# Altium PCB PCB1.PcbDoc (part 1 of 2)
Units mil, origin at the board's own origin, x right, y up, seen from the top; angles counter-clockwise.
Board outline 5314.96 x 2370.75 mil, 2 copper layers (Top Layer, Bottom Layer); 257 components, 147 nets, 806 pads, 335 vias.
Unrouted connection lines stored in the file: 91.
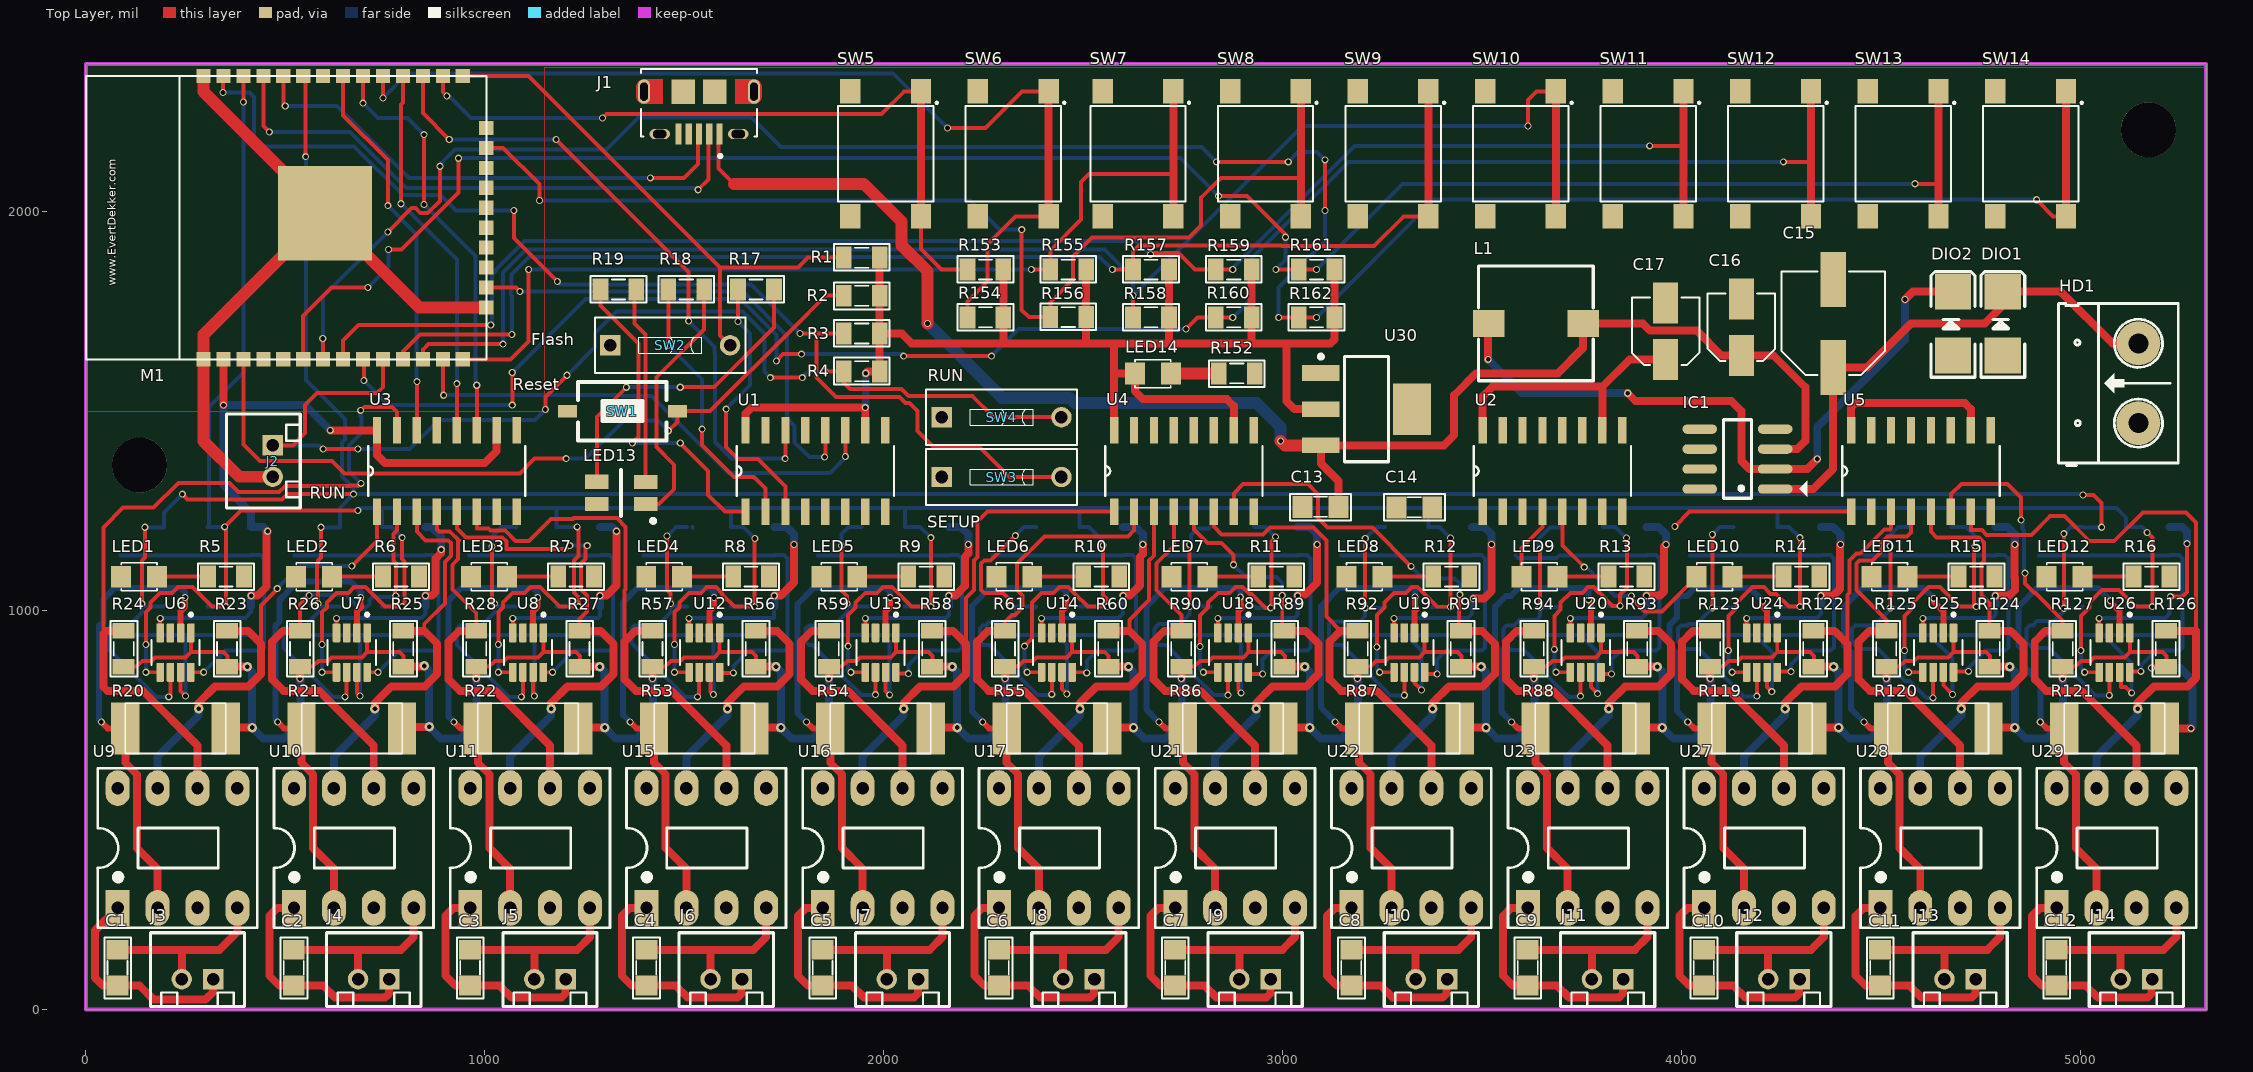
[diagram p0: Top Layer view]
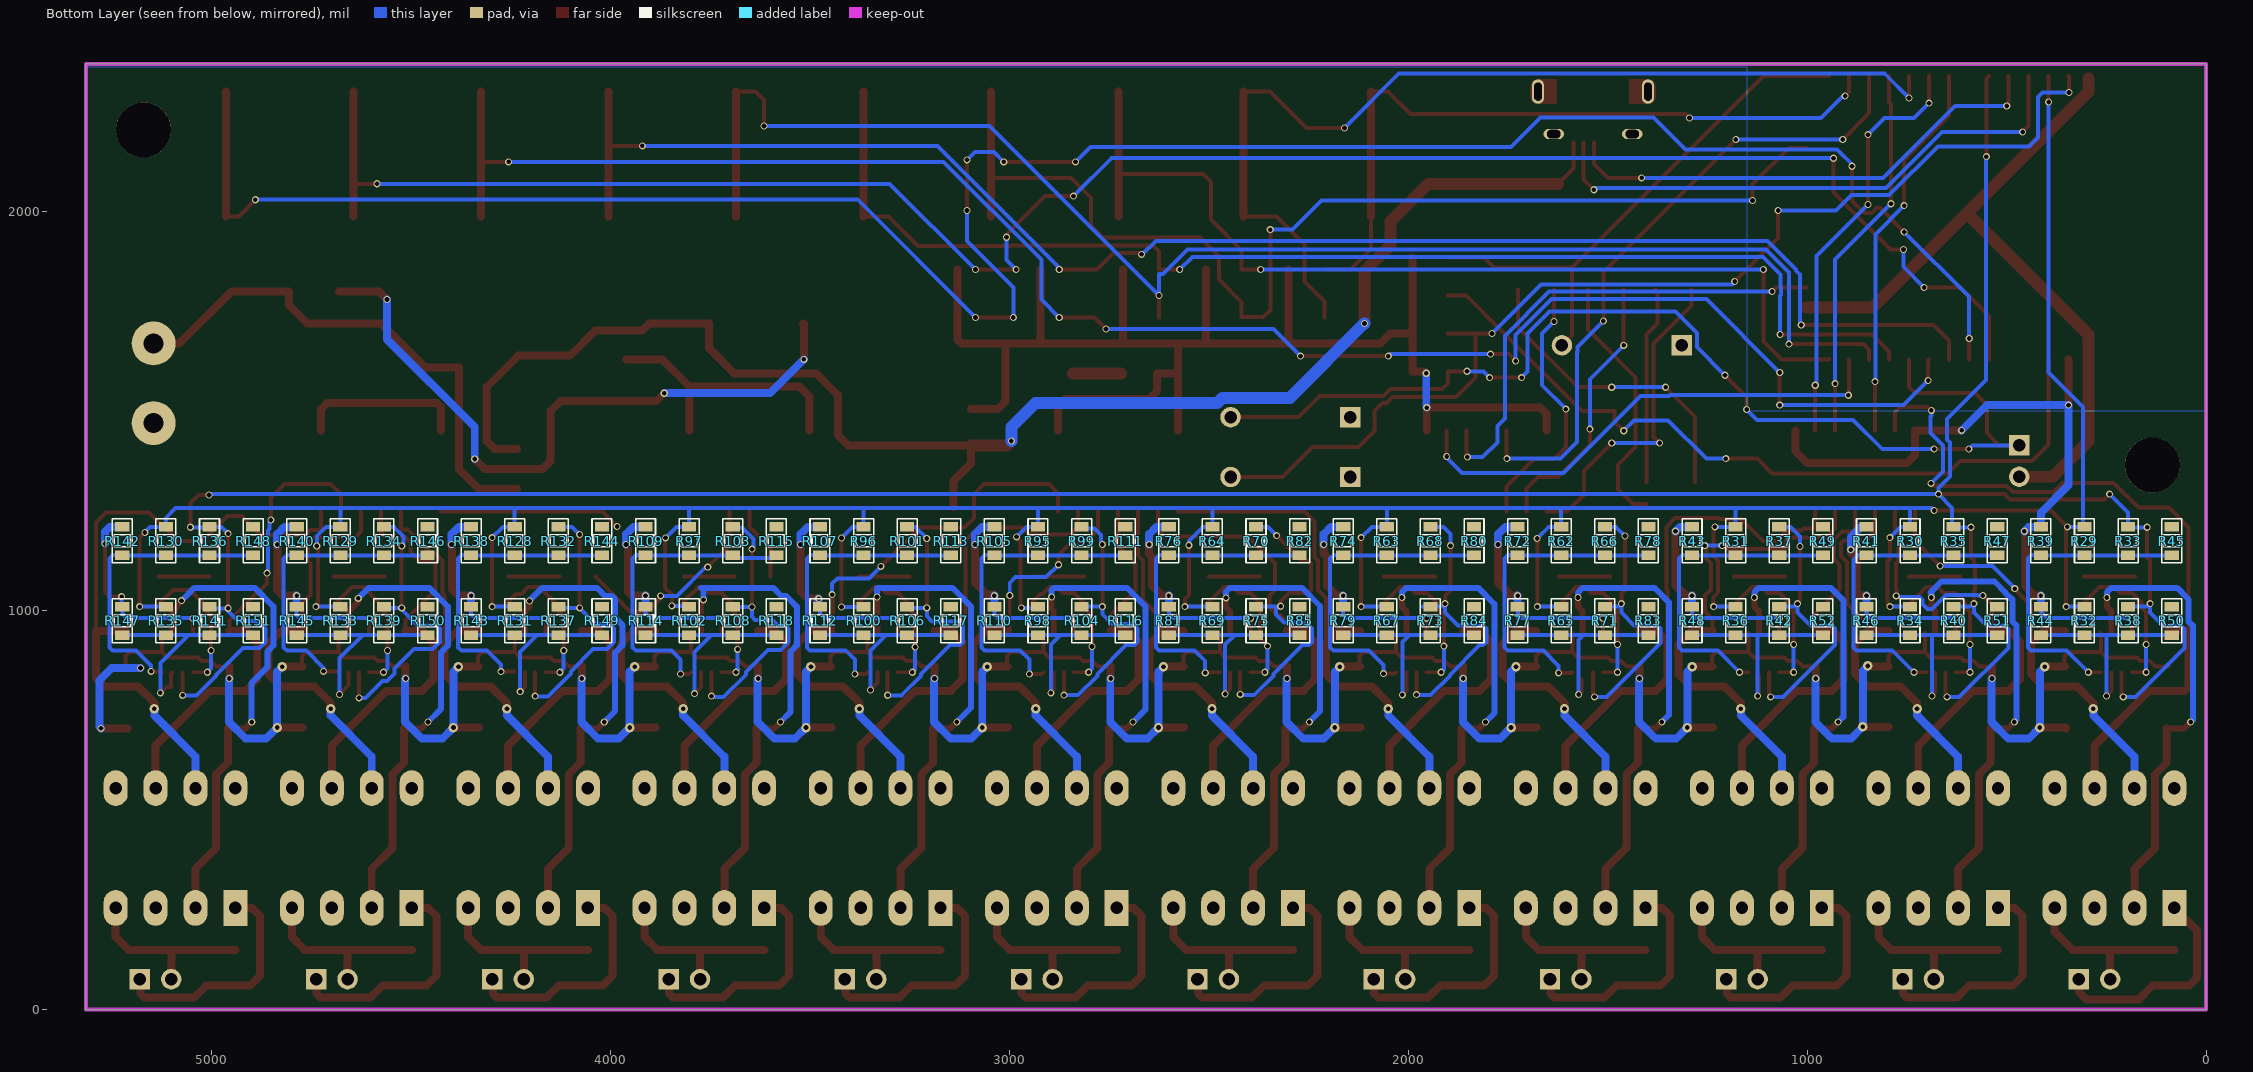
[diagram p1: Bottom Layer view, seen from below]
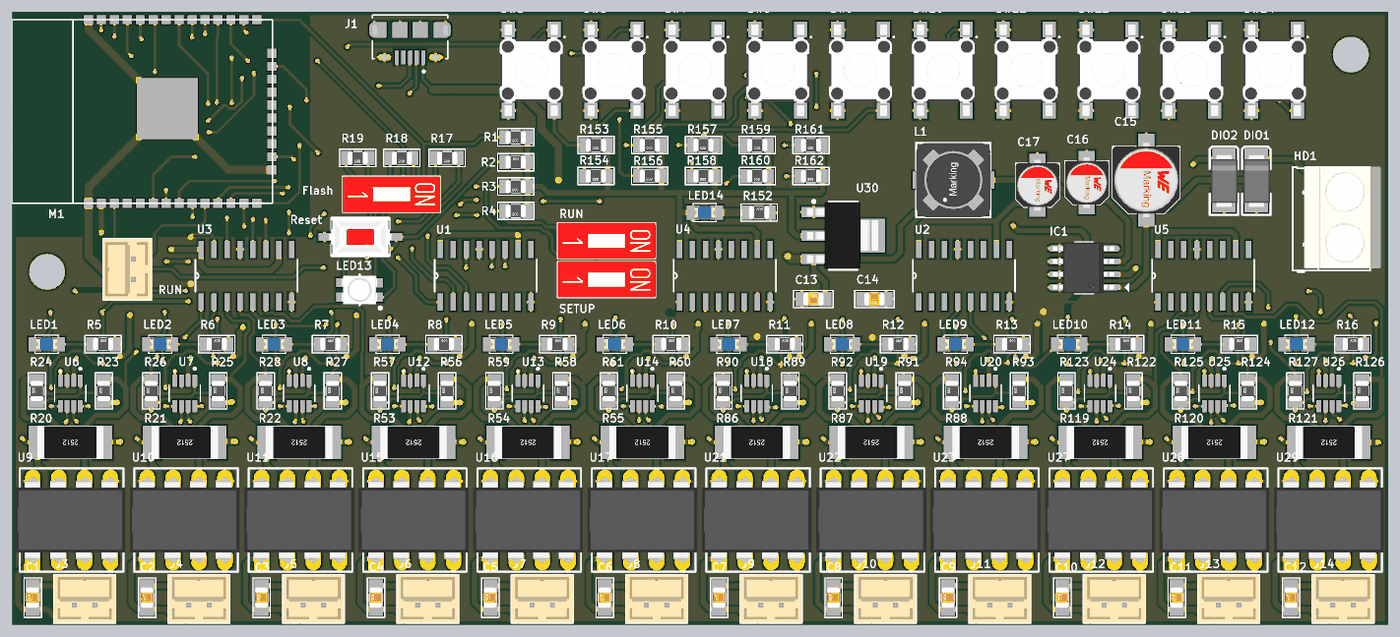
[diagram p3: 3D render of the assembled board from above, using the file's embedded part models]
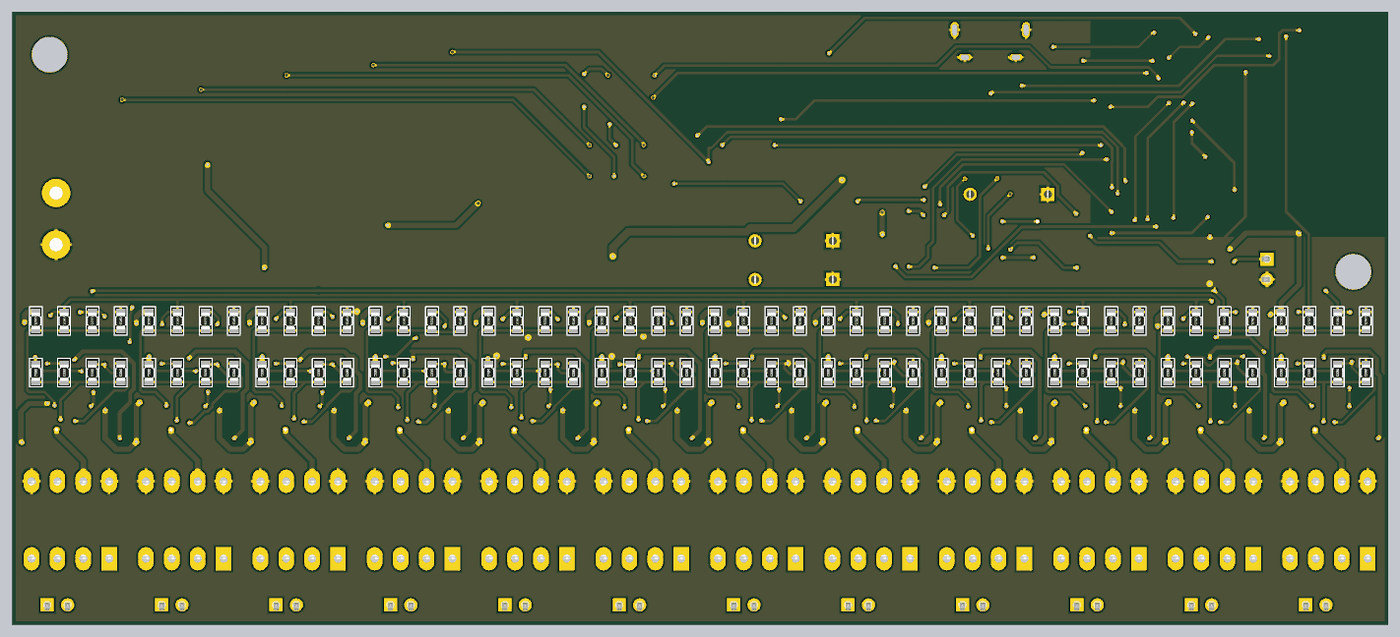
[diagram p4: 3D render of the assembled board from below, using the file's embedded part models]

## Layer stack, top to bottom
Top Solder: solder mask 0.4, Solder Resist, Dk 3.5
Top Layer: signal copper 1.4
Dielectric 1: dielectric 12.6, FR-4, Dk 4.8
Bottom Layer: signal copper 1.4
Bottom Solder: solder mask 0.4, Solder Resist, Dk 3.5

## Board outline
0,0 5314.96,0 5314.96,2370.75 0,2370.75

## Design rules (kind name [scope] priority, off if disabled: settings)
Clearance [All] p1: gap=8
PolygonConnect [All] p1: connectstyle=Relief reliefconductorwidth=10 reliefentries=4 polygonreliefangle="90 Angle" airgapwidth=10
RoomDefinition power [InComponentClass('power')] p1: confinementstyle=ConfineIn formatcopy=TRUE lockcomponents=FALSE outline 5480,1780 9370,1780 9370,2270 5480,2270
RoomDefinition ina219 [InComponentClass('ina219')] p2: confinementstyle=ConfineIn formatcopy=TRUE lockcomponents=FALSE outline 5480,1210 52665,1210 52665,1730 5480,1730
RoomDefinition esp32 [InComponentClass('esp32')] p3: confinementstyle=ConfineIn formatcopy=TRUE lockcomponents=FALSE outline 5480,15 17385,15 17385,1160 5480,1160
RoutingVias [All] p1: holewidth=11.81 width=17.72 viastyle="Through Hole" minholewidth=11.81 minwidth=17.72 maxholewidth=28 maxwidth=50
SolderMaskExpansion [All] p1: expansion=4
Width [All] p1: maxlimit=100 minlimit=8 preferedwidth=8
30 further rules are at their usual default settings.

## Classes and differential pairs
component class power: C13 C14 C15 C16 C17 DIO1 DIO2 HD1 IC1 L1 LED14 R152 U30
component class ina219: C1 C2 C3 C4 C5 C6 C7 C8 C9 C10 C11 C12 J3 J4 J5 J6 J7 J8 J9 J10 J11 J12 J13 J14 R20 R21 R22 R23 R24 R25 R26 R27 R28 R29 R30 R31 R32 R33 R34 R35 R36 R37 R38 R39 R40 R41 R42 R43 R44 R45 R46 R47 R48 R49 R50 R51 R52 R53 R54 R55 R56 R57 R58 R59 R60 R61 R62 R63 R64 R65 R66 R67 R68 R69 R70 R71 R72 R73 R74 R75 R76 R77 R78 R79 R80 R81 R82 R83 R84 R85 R86 R87 R88 R89 R90 R91 R92 R93 R94 R95 R96 R97 R98 R99 R100 R101 R102 R103 R104 R105 R106 R107 R108 R109 R110 R111 R112 R113 R114 R115 R116 R117 R118 R119 R120 R121 R122 R123 R124 R125 R126 R127 R128 R129 R130 R131 R132 R133 R134 R135 R136 R137 R138 R139 R140 R141 R142 R143 R144 R145 R146 R147 R148 R149 R150 R151 U6 U7 U8 U9 U10 U11 U12 U13 U14 U15 U16 U17 U18 U19 U20 U21 U22 U23 U24 U25 U26 U27 U28 U29
component class esp32: J1 J2 LED1 LED2 LED3 LED4 LED5 LED6 LED7 LED8 LED9 LED10 LED11 LED12 LED13 M1 R1 R2 R3 R4 R5 R6 R7 R8 R9 R10 R11 R12 R13 R14 R15 R16 R17 R18 R19 R153 R154 R155 R156 R157 R158 R159 R160 R161 R162 SW1 SW2 SW3 SW4 SW5 SW6 SW7 SW8 SW9 SW10 SW11 SW12 SW13 SW14 U1 U2 U3 U4 U5

## Components (designator, comment, footprint, x,y, rotation, side; value= is the part's Value field where it differs from the comment)
C1 "104" SM-CAP-0805 79.5,60 r90 top
C2 "104" SM-CAP-0805 521.32,60 r90 top
C3 "104" SM-CAP-0805 963.14,60 r90 top
C4 "104" SM-CAP-0805 1404.96,60 r90 top
C5 "104" SM-CAP-0805 1846.77,60 r90 top
C6 "104" SM-CAP-0805 2288.59,60 r90 top
C7 "104" SM-CAP-0805 2730.41,60 r90 top
C8 "104" SM-CAP-0805 3172.23,60 r90 top
C9 "104" SM-CAP-0805 3614.05,60 r90 top
C10 "104" SM-CAP-0805 4055.86,60 r90 top
C11 "104" SM-CAP-0805 4497.68,60 r90 top
C12 "104" SM-CAP-0805 4939.5,60 r90 top
C13 "104" SM-CAP-0805 3050,1260 r0 top
C14 "104" SM-CAP-0805 3375,1259 r180 top
C15 "470uF" CAP-ALU-SMD-6.3x7.7x2.2 4380,1720 r90 top
C16 "CN-ALU-SMD" CAP-ALU-SMD-4.5x5x1.4 4150,1710 r90 top
C17 "CN-ALU-SMD" CAP-ALU-SMD-4.5x5x1.4 3960,1700 r90 top
DIO1 "Diode SMD" DIO-SMD-106 4805,1720 r270 top
DIO2 "Diode SMD" DIO-SMD-106 4680,1720 r270 top
HD1 "Header 2" HED2 5145,1470 r90 top
IC1 "xl1509" SO-8 4140,1380 r180 top
J1 "10118194-0001LF" AMPHENOL_10118194-0001LF 1537,2301 r180 top
J2 "RUN" 62000211622 445,1375 r90 top
J3 "62000211622" 62000211622 280,100 r0 top
J4 "62000211622" 62000211622 721.82,100 r0 top
J5 "62000211622" 62000211622 1163.64,100 r0 top
J6 "62000211622" 62000211622 1605.46,100 r0 top
J7 "62000211622" 62000211622 2047.27,100 r0 top
J8 "62000211622" 62000211622 2489.09,100 r0 top
J9 "62000211622" 62000211622 2930.91,100 r0 top
J10 "62000211622" 62000211622 3372.73,100 r0 top
J11 "62000211622" 62000211622 3814.55,100 r0 top
J12 "62000211622" 62000211622 4256.36,100 r0 top
J13 "62000211622" 62000211622 4698.18,100 r0 top
J14 "62000211622" 62000211622 5140,100 r0 top
L1 "1.0 μH" L-SMD-M-7.3x4.5 3635,1720 r270 top
LED1 "LED" LED-0805-Blue 88.58,1085 r0 top
LED2 "LED" LED-0805-Blue 527.35,1085 r0 top
LED3 "LED" LED-0805-Blue 966.12,1085 r0 top
LED4 "LED" LED-0805-Blue 1404.88,1085 r0 top
LED5 "LED" LED-0805-Blue 1843.65,1085 r0 top
LED6 "LED" LED-0805-Blue 2282.42,1085 r0 top
LED7 "LED" LED-0805-Blue 2721.19,1085 r0 top
LED8 "LED" LED-0805-Blue 3159.96,1085 r0 top
LED9 "LED" LED-0805-Blue 3598.72,1085 r0 top
LED10 "LED" LED-0805-Blue 4037.49,1085 r0 top
LED11 "LED" LED-0805-Blue 4476.26,1085 r0 top
LED12 "LED" LED-0805-Blue 4915.03,1085 r0 top
LED13 "150141M173100" "LED RGB 3528" 1342.03,1295 r180 top
LED14 "LED" LED-0805-Blue 2630,1594 r0 top
M1 "ESP32S_Module" ESP32S 1005,1630 r90 top
R1 "10K" RES-SMD-0805 1945,1885 r180 top
R2 "10K" RES-SMD-0805 1945,1789.33 r0 top
R3 "10K" RES-SMD-0805 1945,1694.67 r180 top
R4 "10K" RES-SMD-0805 1945,1600 r180 top
R5 "1K" RES-SMD-0805 351.46,1085.5 r0 top
R6 "1K" RES-SMD-0805 790.23,1085.5 r0 top
R7 "1K" RES-SMD-0805 1229,1085.5 r0 top
R8 "1K" RES-SMD-0805 1667.77,1085.5 r0 top
R9 "1K" RES-SMD-0805 2106.54,1085.5 r0 top
R10 "1K" RES-SMD-0805 2545.3,1085.5 r0 top
R11 "1K" RES-SMD-0805 2984.07,1085.5 r0 top
R12 "1K" RES-SMD-0805 3422.84,1085.5 r0 top
R13 "1K" RES-SMD-0805 3861.61,1085.5 r0 top
R14 "1K" RES-SMD-0805 4300.38,1085.5 r0 top
R15 "1K" RES-SMD-0805 4739.14,1085.5 r0 top
R16 "1K" RES-SMD-0805 5177.91,1085.5 r0 top
R17 "1K" RES-SMD-0805 1680,1805 r180 top
R18 "1K" RES-SMD-0805 1505,1805 r180 top
R19 "1K" RES-SMD-0805 1335,1805 r180 top
R20 "100R" RES-SMD-2512 225,710 r180 top
R21 "100R" RES-SMD-2512 666.82,710 r180 top
R22 "100R" RES-SMD-2512 1108.64,710 r180 top
R23 "10K" RES-SMD-0805 353.91,904.45 r90 top
R24 "10K" RES-SMD-0805 95.08,904.45 r90 top
R25 "10K" RES-SMD-0805 795.73,904.45 r90 top
R26 "10K" RES-SMD-0805 536.9,904.45 r90 top
R27 "10K" RES-SMD-0805 1237.55,904.45 r90 top
R28 "10K" RES-SMD-0805 978.72,904.45 r90 top
R29 "Res" RES-SMD-0603 305.14,1175 r270 bottom
R30 "Res" RES-SMD-0603 742.32,1175 r270 bottom
R31 "Res" RES-SMD-0603 1179.51,1175 r270 bottom
R32 "Res" RES-SMD-0603 305.14,975 r270 bottom
R33 "Res" RES-SMD-0603 195.84,1175 r270 bottom
R34 "Res" RES-SMD-0603 742.32,975 r270 bottom
R35 "Res" RES-SMD-0603 633.03,1175 r270 bottom
R36 "Res" RES-SMD-0603 1179.51,975 r270 bottom
R37 "Res" RES-SMD-0603 1070.21,1175 r270 bottom
R38 "Res" RES-SMD-0603 195.84,975 r270 bottom
R39 "Res" RES-SMD-0603 414.44,1175 r270 bottom
R40 "Res" RES-SMD-0603 633.03,975 r270 bottom
R41 "Res" RES-SMD-0603 851.62,1175 r270 bottom
R42 "Res" RES-SMD-0603 1070.21,975 r270 bottom
R43 "Res" RES-SMD-0603 1288.8,1175 r270 bottom
R44 "Res" RES-SMD-0603 414.44,975 r270 bottom
R45 "Res" RES-SMD-0603 86.55,1175 r270 bottom
R46 "Res" RES-SMD-0603 851.62,975 r270 bottom
R47 "Res" RES-SMD-0603 523.73,1175 r270 bottom
R48 "Res" RES-SMD-0603 1288.8,975 r270 bottom
R49 "Res" RES-SMD-0603 960.91,1175 r270 bottom
R50 "Res" RES-SMD-0603 86.55,975 r270 bottom
R51 "Res" RES-SMD-0603 523.73,975 r270 bottom
R52 "Res" RES-SMD-0603 960.91,975 r270 bottom
R53 "100R" RES-SMD-2512 1550.46,710 r180 top
R54 "100R" RES-SMD-2512 1992.28,710 r180 top
R55 "100R" RES-SMD-2512 2434.09,710 r180 top
R56 "10K" RES-SMD-0805 1679.37,904.45 r90 top
R57 "10K" RES-SMD-0805 1420.53,904.45 r90 top
R58 "10K" RES-SMD-0805 2121.19,904.45 r90 top
R59 "10K" RES-SMD-0805 1862.35,904.45 r90 top
R60 "10K" RES-SMD-0805 2563.01,904.45 r90 top
R61 "10K" RES-SMD-0805 2304.17,904.45 r90 top
R62 "Res" RES-SMD-0603 1616.69,1175 r270 bottom
R63 "Res" RES-SMD-0603 2053.87,1175 r270 bottom
R64 "Res" RES-SMD-0603 2491.05,1175 r270 bottom
R65 "Res" RES-SMD-0603 1616.69,975 r270 bottom
R66 "Res" RES-SMD-0603 1507.39,1175 r270 bottom
R67 "Res" RES-SMD-0603 2053.87,975 r270 bottom
R68 "Res" RES-SMD-0603 1944.57,1175 r270 bottom
R69 "Res" RES-SMD-0603 2491.05,975 r270 bottom
R70 "Res" RES-SMD-0603 2381.76,1175 r270 bottom
R71 "Res" RES-SMD-0603 1507.39,975 r270 bottom
R72 "Res" RES-SMD-0603 1725.98,1175 r270 bottom
R73 "Res" RES-SMD-0603 1944.57,975 r270 bottom
R74 "Res" RES-SMD-0603 2163.17,1175 r270 bottom
R75 "Res" RES-SMD-0603 2381.76,975 r270 bottom
R76 "Res" RES-SMD-0603 2600.35,1175 r270 bottom
R77 "Res" RES-SMD-0603 1725.98,975 r270 bottom
R78 "Res" RES-SMD-0603 1398.1,1175 r270 bottom
R79 "Res" RES-SMD-0603 2163.17,975 r270 bottom
R80 "Res" RES-SMD-0603 1835.28,1175 r270 bottom
R81 "Res" RES-SMD-0603 2600.35,975 r270 bottom
R82 "Res" RES-SMD-0603 2272.46,1175 r270 bottom
R83 "Res" RES-SMD-0603 1398.1,975 r270 bottom
R84 "Res" RES-SMD-0603 1835.28,975 r270 bottom
R85 "Res" RES-SMD-0603 2272.46,975 r270 bottom
R86 "100R" RES-SMD-2512 2875.91,710 r180 top
R87 "100R" RES-SMD-2512 3317.73,710 r180 top
R88 "100R" RES-SMD-2512 3759.55,710 r180 top
R89 "10K" RES-SMD-0805 3004.82,904.45 r90 top
R90 "10K" RES-SMD-0805 2745.99,904.45 r90 top
R91 "10K" RES-SMD-0805 3446.64,904.45 r90 top
R92 "10K" RES-SMD-0805 3187.81,904.45 r90 top
R93 "10K" RES-SMD-0805 3888.46,904.45 r90 top
R94 "10K" RES-SMD-0805 3629.63,904.45 r90 top
R95 "Res" RES-SMD-0603 2928.23,1175 r270 bottom
R96 "Res" RES-SMD-0603 3365.42,1175 r270 bottom
R97 "Res" RES-SMD-0603 3802.6,1175 r270 bottom
R98 "Res" RES-SMD-0603 2928.23,975 r270 bottom
R99 "Res" RES-SMD-0603 2818.94,1175 r270 bottom
R100 "Res" RES-SMD-0603 3365.42,975 r270 bottom
R101 "Res" RES-SMD-0603 3256.12,1175 r270 bottom
R102 "Res" RES-SMD-0603 3802.6,975 r270 bottom
R103 "Res" RES-SMD-0603 3693.3,1175 r270 bottom
R104 "Res" RES-SMD-0603 2818.94,975 r270 bottom
R105 "Res" RES-SMD-0603 3037.53,1175 r270 bottom
R106 "Res" RES-SMD-0603 3256.12,975 r270 bottom
R107 "Res" RES-SMD-0603 3474.71,1175 r270 bottom
R108 "Res" RES-SMD-0603 3693.3,975 r270 bottom
R109 "Res" RES-SMD-0603 3911.9,1175 r270 bottom
R110 "Res" RES-SMD-0603 3037.53,975 r270 bottom
R111 "Res" RES-SMD-0603 2709.64,1175 r270 bottom
R112 "Res" RES-SMD-0603 3474.71,975 r270 bottom
R113 "Res" RES-SMD-0603 3146.83,1175 r270 bottom
R114 "Res" RES-SMD-0603 3911.9,975 r270 bottom
R115 "Res" RES-SMD-0603 3584.01,1175 r270 bottom
R116 "Res" RES-SMD-0603 2709.64,975 r270 bottom
R117 "Res" RES-SMD-0603 3146.83,975 r270 bottom
R118 "Res" RES-SMD-0603 3584.01,975 r270 bottom
R119 "100R" RES-SMD-2512 4201.37,710 r180 top
R120 "100R" RES-SMD-2512 4643.19,710 r180 top
R121 "100R" RES-SMD-2512 5085,710 r180 top
R122 "10K" RES-SMD-0805 4330.28,904.45 r90 top
R123 "10K" RES-SMD-0805 4071.44,904.45 r90 top
R124 "10K" RES-SMD-0805 4772.1,904.45 r90 top
R125 "10K" RES-SMD-0805 4513.26,904.45 r90 top
R126 "10K" RES-SMD-0805 5213.91,904.45 r90 top
R127 "10K" RES-SMD-0805 4955.08,904.45 r90 top
R128 "Res" RES-SMD-0603 4239.78,1175 r270 bottom
R129 "Res" RES-SMD-0603 4676.96,1175 r270 bottom
R130 "Res" RES-SMD-0603 5114.15,1175 r270 bottom
R131 "Res" RES-SMD-0603 4239.78,975 r270 bottom
R132 "Res" RES-SMD-0603 4130.49,1175 r270 bottom
R133 "Res" RES-SMD-0603 4676.96,975 r270 bottom
R134 "Res" RES-SMD-0603 4567.67,1175 r270 bottom
R135 "Res" RES-SMD-0603 5114.15,975 r270 bottom
R136 "Res" RES-SMD-0603 5004.85,1175 r270 bottom
R137 "Res" RES-SMD-0603 4130.49,975 r270 bottom
R138 "Res" RES-SMD-0603 4349.08,1175 r270 bottom
R139 "Res" RES-SMD-0603 4567.67,975 r270 bottom
R140 "Res" RES-SMD-0603 4786.26,1175 r270 bottom
R141 "Res" RES-SMD-0603 5004.85,975 r270 bottom
R142 "Res" RES-SMD-0603 5223.44,1175 r270 bottom
R143 "Res" RES-SMD-0603 4349.08,975 r270 bottom
R144 "Res" RES-SMD-0603 4021.19,1175 r270 bottom
R145 "Res" RES-SMD-0603 4786.26,975 r270 bottom
R146 "Res" RES-SMD-0603 4458.37,1175 r270 bottom
R147 "Res" RES-SMD-0603 5223.44,975 r270 bottom
R148 "Res" RES-SMD-0603 4895.56,1175 r270 bottom
R149 "Res" RES-SMD-0603 4021.19,975 r270 bottom
R150 "Res" RES-SMD-0603 4458.37,975 r270 bottom
R151 "Res" RES-SMD-0603 4895.56,975 r270 bottom
R152 "1K" RES-SMD-0805 2885,1594.5 r0 top
R153 "10K" RES-SMD-0805 2255,1855 r180 top
R154 "10K" RES-SMD-0805 2255,1735 r180 top
R155 "10K" RES-SMD-0805 2462.5,1855 r180 top
R156 "10K" RES-SMD-0805 2462.5,1736 r180 top
R157 "10K" RES-SMD-0805 2670,1855 r180 top
R158 "10K" RES-SMD-0805 2670,1735 r180 top
R159 "10K" RES-SMD-0805 2877.5,1855 r180 top
R160 "10K" RES-SMD-0805 2877.5,1735 r180 top
R161 "10K" RES-SMD-0805 3085,1855 r180 top
R162 "10K" RES-SMD-0805 3085,1735 r180 top
SW1 "Reset" SW1-SMD 1345,1500 r180 top
SW2 "Flash" SW-DIP1-1 1465,1665 r270 top
SW3 "SETUP" SW-DIP1-1 2295.57,1335 r270 top
SW4 "RUN" SW-DIP1-1 2295.57,1485 r270 top
SW5 "SW" SW2-SMD 2005,2145 r270 top
SW6 "SW" SW2-SMD 2324.64,2145 r270 top
SW7 "SW" SW2-SMD 2637.49,2145 r270 top
SW8 "SW" SW2-SMD 2957.14,2145 r270 top
SW9 "SW" SW2-SMD 3276.78,2145 r270 top
SW10 "SW" SW2-SMD 3596.42,2145 r270 top
SW11 "SW" SW2-SMD 3916.07,2145 r270 top
SW12 "SW" SW2-SMD 4235.71,2145 r270 top
SW13 "SW" SW2-SMD 4555.36,2145 r270 top
SW14 "SW" SW2-SMD 4875,2145 r270 top
U1 "74HC595D,118" SOIC127P600X175-16N 1828.75,1350 r90 top
U2 "74HC595D,118" SOIC127P600X175-16N 3676.25,1350 r90 top
U3 "74HC595D,118" SOIC127P600X175-16N 905,1350 r90 top
U4 "74HC595D,118" SOIC127P600X175-16N 2752.5,1350 r90 top
U5 "74HC595D,118" SOIC127P600X175-16N 4600,1350 r90 top
U6 "INA219BIDCNT" SOT65P280X145-8N 225,895 r270 top
U7 "INA219BIDCNT" SOT65P280X145-8N 666.82,895 r270 top
U8 "INA219BIDCNT" SOT65P280X145-8N 1108.63,895 r270 top
U9 "L9110" DIP8 225,405 r0 top
U10 "L9110" DIP8 666.82,405 r0 top
U11 "L9110" DIP8 1108.64,405 r0 top
U12 "INA219BIDCNT" SOT65P280X145-8N 1550.45,895 r270 top
U13 "INA219BIDCNT" SOT65P280X145-8N 1992.27,895 r270 top
U14 "INA219BIDCNT" SOT65P280X145-8N 2434.09,895 r270 top
U15 "L9110" DIP8 1550.46,405 r0 top
U16 "L9110" DIP8 1992.27,405 r0 top
U17 "L9110" DIP8 2434.09,405 r0 top
U18 "INA219BIDCNT" SOT65P280X145-8N 2875.91,895 r270 top
U19 "INA219BIDCNT" SOT65P280X145-8N 3317.72,895 r270 top
U20 "INA219BIDCNT" SOT65P280X145-8N 3759.54,895 r270 top
U21 "L9110" DIP8 2875.91,405 r0 top
U22 "L9110" DIP8 3317.73,405 r0 top
U23 "L9110" DIP8 3759.55,405 r0 top
U24 "INA219BIDCNT" SOT65P280X145-8N 4201.36,895 r270 top
U25 "INA219BIDCNT" SOT65P280X145-8N 4643.18,895 r270 top
U26 "INA219BIDCNT" SOT65P280X145-8N 5085,895 r270 top
U27 "L9110" DIP8 4201.36,405 r0 top
U28 "L9110" DIP8 4643.18,405 r0 top
U29 "L9110" DIP8 5085,405 r0 top
U30 "LM1117-3.3V" SOT223 3210,1505 r270 top
